# Altium PCB MICB.PcbDoc (part 3 of 3)
Units mil, origin at the board's own origin, x right, y up, seen from the top; angles counter-clockwise.
Board outline 3923.62 x 3144.88 mil, 4 copper layers (Top, GND02, PWR03, Bottom), stack 23.756 mil thick; 244 components, 173 nets, 794 pads, 559 vias.
Unrouted connection lines stored in the file: 121.
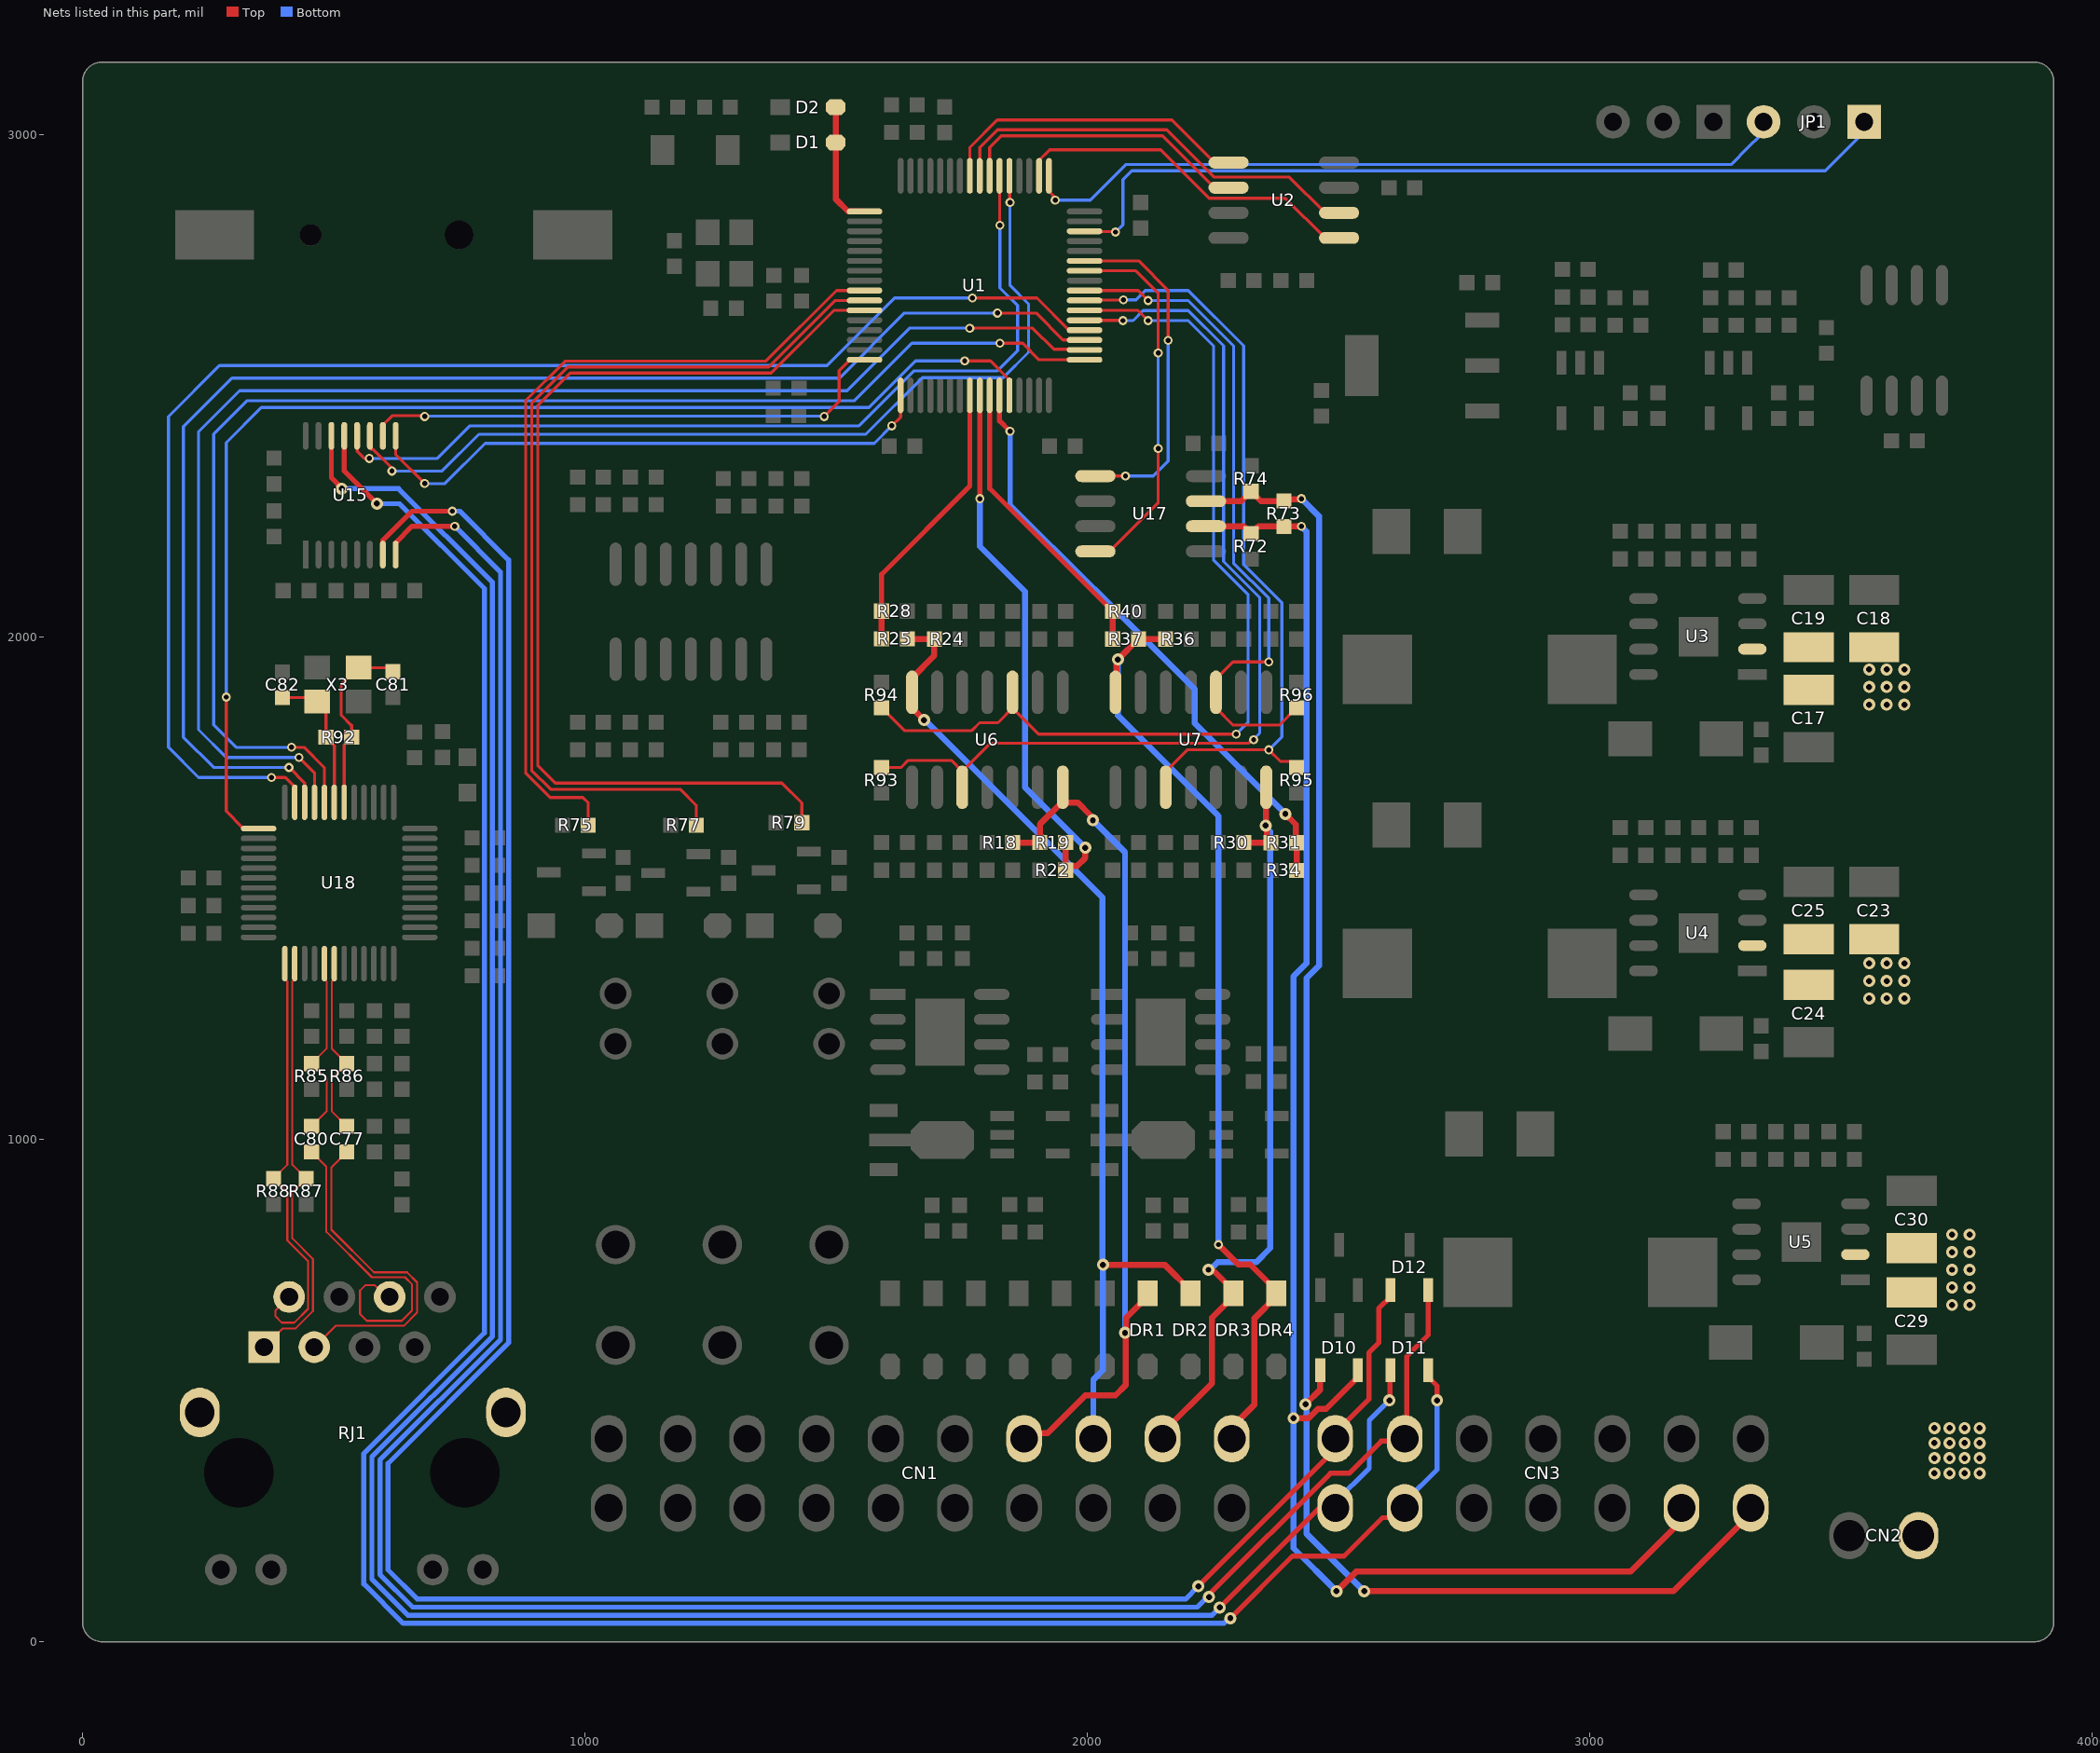
[diagram p5: the nets of this part, all layers, seen from the top]

## Via types
v1: diameter 24, hole 12, Top to Bottom, tented both sides, 215 vias
v2: diameter 20, hole 12, Top to Bottom, tented both sides, 159 vias
v3: diameter 18, hole 10, Top to Bottom, tented both sides, 121 vias
v4: diameter 20, hole 10, Top to Bottom, tented both sides, 34 vias
v5: diameter 24, hole 12, Top to Bottom, 30 vias

## Nets (pads, with @x,y where several pads share a name; then routed paths per layer and width w, separated by ;. In a path a pad name is that pad's centre, name@x,y a point inside that pad or via, vN(x,y) a via of type N, cw(c..) or ccw(c..) an arc to the next point about the centre after c; other vN are vias at no path point) (continued)
RLY_1: R75.2 U1.9 | length 1700
  Top w6: R75.2@1006.57,1625.63 1006.57,1670.04 995.98,1680.63 930.98,1680.63 881.98,1729.63 881.98,2470.57 961.04,2549.63 1360.58,2549.63 1500.83,2689.87 U1.9@1556.48,2689.87
RLY_2: R77.2 U1.10 | length 1874.1
  Top w6: R77.2@1221.57,1625.63 1221.57,1665.04 1189.48,1697.13 931.45,1697.13 893.98,1734.6 893.98,2465.6 966.01,2537.63 1365.55,2537.63 1498.11,2670.19 U1.10@1556.48,2670.19
RLY_3: R79.2 U1.11 | length 2041.1
  Top w6: R79.2@1431.57,1630.63 1431.57,1670.04 1391.98,1709.63 940.95,1709.63 905.98,1744.6 905.98,2460.63 970.98,2525.63 1370.52,2525.63 1495.4,2650.5 U1.11@1556.48,2650.5
RS232_1_RX: CN3.3 D11.2 U15.13 | length 5033.7
  Top w10: U15.13@520.98,2400.63 520.98,2330.63 v1(585.98,2265.63) ; v1(2284.62,46.99) 2408.26,170.63 2510.98,170.63 2587.47,247.11 2611.92,247.11 CN3.3@2631.38,266.57 ; D11.2@2678.39,540.63 2678.39,526.85 2695.98,509.25 v1(2695.98,480.63)
  Bottom w10: v1(585.98,2265.63) 630.98,2265.63 800,2096.61 800,615 560,375 560,115.25 638.25,37 2271.77,37 2281.76,46.99 v1(2284.62,46.99) ; CN3.3@2631.38,266.57 2631.38,278.38 2695.98,342.99 v1(2695.98,480.63)
RS232_1_TX: CN3.1 D11.1 U15.14 | length 4929.9
  Top w10: U15.14@495.39,2400.63 495.39,2317.47 515.98,2296.87 v1(515.98,2295.63) ; v1(2263.41,68.2) 2461.78,266.57 CN3.1@2493.59,266.57 ; v1(2600.98,480.63) 2602.28,481.93 2602.28,539.33 D11.1@2603.58,540.63
  Bottom w10: v1(515.98,2295.63) 629.27,2295.63 816,2108.9 816,608.37 576,368.37 576,124.7 647.7,53 2248.21,53 v1(2263.41,68.2) ; CN3.1@2493.59,266.57 2493.59,278.38 2560.98,345.78 2560.98,440.63 v1(2600.98,480.63)
RS232_2_RX: CN3.4 D12.2 U15.8 | length 4902.1
  Top w10: U15.8@623.35,2164.41 623.35,2187.99 655.98,2220.63 v3(740.98,2220.63) ; v1(2242.2,89.42) 2242.2,94.08 2483.75,335.63 2520.98,335.63 2584.98,399.62 2626.63,399.62 CN3.4@2631.38,404.37 2635.43,408.41 2635.43,567.84 2678.39,610.8 D12.2@2678.39,700.63
  Bottom w10: v3(740.98,2220.63) 832,2129.61 832,601.75 592,361.75 592,134.16 657.16,69 2218.43,69 2238.85,89.42 v1(2242.2,89.42)
RS232_2_TX: CN3.2 D12.1 U15.7 | length 4848.3
  Top w10: U15.7@597.76,2164.41 597.76,2192.4 655.98,2250.63 v3(735.98,2250.63) ; v1(2220.98,110.63) 2493.59,383.23 CN3.2@2493.59,404.37 2493.59,416.18 2560.23,482.82 2560.23,575.14 2580,594.91 2580,663.27 2603.58,686.85 D12.1@2603.58,700.63
  Bottom w10: v3(735.98,2250.63) 750.98,2250.63 848,2153.61 848,595.12 608,355.12 608,143.61 666.61,85 2195.35,85 v1(2220.98,110.63)
RS485_A: CN3.11 D10.2 R72.1 R73.1 U17.6 | length 3318.4
  Top w12: U17.6@2235.98,2220.63 2311.57,2220.63 R72.1@2325.98,2206.22 2340.39,2220.63 2390.39,2220.63 2390.69,2220.33 2425.69,2220.33 v3(2425.98,2220.63) ; v1(2410.26,445.19) 2440.55,445.19 2458.97,463.61 2475.15,463.61 2538.39,526.85 D10.2@2538.39,540.63 ; v1(2495.98,100.63) 2534.98,139.63 3080.98,139.63 3182.56,241.21 CN3.11@3182.56,266.57
  Bottom w12: v3(2425.98,2220.63) 2435.98,2210.6 2435.98,1350.63 2410.26,1324.91 2410.26,186.35 v1(2495.98,100.63)
RS485_B: CN3.13 D10.1 R73.2 R74.2 U17.7 | length 3381.1
  Top w12: U17.7@2235.98,2270.63 2306.57,2270.63 R74.2@2325.98,2290.04 2345.39,2270.63 2390.4,2270.63 R73.2@2390.99,2271.22 2394.25,2274.48 2424.84,2274.48 v3(2425.98,2275.63) ; v1(2434.26,472.85) 2463.58,502.17 D10.1@2463.58,540.63 ; v1(2550.98,100.63) 3166.22,100.63 3320.36,254.76 CN3.13@3320.36,266.57
  Bottom w12: v3(2425.98,2275.63) 2460.98,2240.63 2460.98,1345.63 2435.98,1320.63 2435.98,474.57 v1(2434.26,472.85) ; v1@2435.98,472.6 2435.98,215.63 v1(2550.98,100.63)
RSTn: U1.28 U18.37 | length 2485.5
  Top w6: v3(285.98,1880.63) 285.98,1653.52 318.97,1620.53 348.9,1620.53 U18.37@350.54,1618.9 ; v3(1755.98,2550.03) 1806.99,2550.03 1844.88,2512.14 U1.28@1844.88,2481.21
  Bottom w6: v3(285.98,1880.63) 285.98,2387.09 356.04,2457.14 1565.07,2457.14 1657.96,2550.03 v3(1755.98,2550.03)
RX_N: C80.1 R85.2 U18.5 | length 363.4
  Top w4: C80.1@455.98,1026.22 485.99,1056.23 485.99,1121.22 R85.2@455.99,1151.22 486.3,1181.53 486.3,1314.41 481.46,1319.25 U18.5@481.46,1350.18
RX_P: C77.1 R86.2 U18.6 | length 363.1
  Top w4: U18.6@501.14,1350.18 501.14,1319.25 496.3,1314.41 496.3,1180.91 R86.2@525.99,1151.22 495.99,1121.22 495.99,1056.22 C77.1@525.98,1026.22
RXC_N: C80.2 RJ1.6 | length 674.3
  Top w4: C80.2@455.98,975.04 485.39,945.63 485.39,816.22 575.98,725.63 641.84,725.63 655.98,711.49 655.98,659.77 635.29,639.07 565.76,639.07 552.5,652.34 552.5,699.3 563.39,710.2 581.42,710.2 605.04,686.57 RJ1.6@611.3,686.57
RXC_P: C77.2 RJ1.3 | length 674.6
  Top w4: RJ1.3@461.3,586.57 503.8,629.07 639.43,629.07 665.98,655.63 665.98,715.63 645.98,735.63 580.12,735.63 495.39,820.36 495.39,944.45 C77.2@525.98,975.04
SH1: RJ1.13
SH2: RJ1.14
SPI1_CS: U1.50 U2.1 | length 709.2
  Top w6: U1.50@1903.94,2918.22 1903.94,2949.14 1924.83,2970.03 2145.98,2970.03 2242.3,2873.72 2393.98,2873.72 2472.98,2794.72 U2.1@2500.98,2794.72
SPI1_MISO: U1.56 U2.2 | length 854.8
  Top w6: U1.56@1785.83,2918.22 1785.83,2974.87 1820.98,3010.03 2157.97,3010.03 2252.29,2915.72 2401.98,2915.72 2472.98,2844.72 U2.2@2500.98,2844.72
SPI1_MOSI: U1.57 U2.5 | length 629.2
  Top w6: U1.57@1766.14,2918.22 1766.14,2974.87 1820.67,3029.4 2168.3,3029.4 2252.98,2944.72 U2.5@2280.98,2944.72
SPI1_SCK: U1.55 U2.6 | length 584.5
  Top w6: U1.55@1805.51,2918.22 1805.51,2974.87 1828.67,2998.03 2149.67,2998.03 2252.98,2894.72 U2.6@2280.98,2894.72
SPI2_CS: U1.33 U18.32 | length 2725.5
  Top w6: v3(415.98,1780.63) 440.98,1780.63 481.46,1740.16 U18.32@481.46,1671.08 ; v3(1825.98,2585.03) 1870.98,2585.03 1903.94,2552.08 U1.33@1994.49,2552.08
  Bottom w6: v3(415.98,1780.63) 305.98,1780.63 260.98,1825.63 260.98,2404.06 327.55,2470.63 1536.58,2470.63 1650.98,2585.03 v3(1825.98,2585.03)
SPI2_MISO: U1.35 U18.34 | length 2845
  Top w6: v3(410.98,1740.63) 442.09,1709.53 U18.34@442.09,1671.08 ; v3(1820.98,2645.03) 1897.95,2645.03 1951.54,2591.45 U1.35@1994.49,2591.45
  Bottom w6: v3(410.98,1740.63) 260.98,1740.63 200.98,1800.63 200.98,2419.06 297.55,2515.63 1506.58,2515.63 1635.98,2645.03 v3(1820.98,2645.03)
SPI2_MOSI: U1.36 U18.35 | length 2921
  Top w6: v3(375.98,1720.63) 403.6,1720.63 422.4,1701.83 U18.35@422.4,1671.08 ; v3(1770.98,2675.03) 1899.67,2675.03 1963.57,2611.13 U1.36@1994.49,2611.13
  Bottom w6: v3(375.98,1720.63) 230.98,1720.63 170.98,1780.63 170.98,2439.06 272.55,2540.63 1481.58,2540.63 1615.98,2675.03 v3(1770.98,2675.03)
SPI2_SCK: U1.34 U18.33 | length 2785.3
  Top w6: v3(430.98,1760.63) 461.75,1729.86 U18.33@461.77,1671.08 ; v3(1765.98,2615.03) 1890.98,2615.03 1933.14,2572.88 1993.38,2572.88 U1.34@1994.49,2571.76
  Bottom w6: v3(430.98,1760.63) 285.98,1760.63 230.98,1815.63 230.98,2409.06 312.55,2490.63 1521.58,2490.63 1645.98,2615.03 v3(1765.98,2615.03)
SWCLK: JP1.3 U1.49 | length 1515.5
  Top w6: U1.49@1924.73,2914.66 1924.73,2886.64 1933.69,2877.68 1933.69,2872.33 v3(1935.98,2870.03)
  Bottom w6: v3(1935.98,2870.03) 2005.98,2870.03 2076.58,2940.63 3280.98,2940.63 3315.98,2975.63 3338.48,2998.13 JP1.3@3345.98,3005.63
SWDIO: JP1.1 U1.46 | length 1687.3
  Top w6: U1.46@1994.49,2807.98 1995.33,2807.14 2055.14,2807.14 v3(2055.98,2806.3)
  Bottom w6: v3(2055.98,2806.3) 2056.29,2806.3 2070.98,2821 2070.98,2910.63 2088.48,2928.13 3468.48,2928.13 JP1.1@3545.98,3005.63
TX_N: R88.2 RJ1.2 U18.1 | length 860.5
  Top w4: U18.1@402.72,1350.18 402.72,1319.25 407.56,1314.41 407.56,949.49 R88.2@380.12,922.05 407.61,894.55 407.61,798.93 448.8,757.74 448.8,662.76 421.33,635.29 396.79,635.29 384.03,648.04 384.03,659.3 RJ1.2@411.3,686.57
TX_P: R87.2 RJ1.1 U18.2 | length 860.8
  Top w4: RJ1.1@361.3,586.57 398.79,624.06 424.24,624.06 458.8,658.62 458.8,761.88 417.61,803.07 417.61,894.55 R87.2@445.11,922.05 417.56,949.6 417.56,1314.41 422.4,1319.25 U18.2@422.4,1350.18
USART1_RX: U1.43 U17.1 | length 687.7
  Top w6: U1.43@1994.49,2748.93 2102.09,2748.93 2160.98,2690.03 v3(2160.98,2590.63) ; U17.1@2015.98,2320.63 v3(2075.98,2320.63)
  Bottom w6: v3(2075.98,2320.63) 2130.98,2320.63 2160.98,2350.63 v3(2160.98,2590.63)
USART1_TX: U1.42 U17.4 | length 747.2
  Top w6: U1.42@1994.49,2729.24 2096.38,2729.24 2140.98,2684.64 v3(2140.98,2565.63) ; U17.4@2015.98,2170.63 2043.98,2170.63 2140.98,2267.63 v3(2140.98,2375.63)
  Bottom w6: v3(2140.98,2375.63) v3(2140.98,2565.63)
USART2_RX: U1.17 U15.9 | length 1164.3
  Top w6: U15.9@623.35,2400.63 623.35,2363.27 v3(680.98,2305.63) ; v3(1610.98,2420.63) 1628.35,2437.99 U1.17@1628.35,2481.21
  Bottom w6: v3(680.98,2305.63) 721.44,2305.63 801.44,2385.63 1575.98,2385.63 v3(1610.98,2420.63)
USART2_TX: U1.16 U15.10 | length 1072
  Top w6: U15.10@597.76,2400.63 597.76,2422.28 616.1,2440.63 679.5,2440.63 v3(680.98,2439.14) ; v3(1475.98,2439.14) 1505.98,2469.14 1505.98,2530.63 1527.43,2552.08 U1.16@1556.48,2552.08
  Bottom w6: v3(680.98,2439.14) 681.71,2439.87 1475.26,2439.87 v3(1475.98,2439.14)
USART5_RX: U1.54 U15.12 | length 1802.8
  Top w6: U15.12@546.58,2400.63 U15.12@546.58,2400.63 546.65,2369.97 560.98,2355.63 v3(570.98,2355.63) ; U1.54@1825.2,2918.22 1825.59,2917.83 1825.59,2820.43 v3(1825.98,2820.03)
  Bottom w6: v3(570.98,2355.63) 705.98,2355.63 770.98,2420.63 1545.53,2420.63 1654.93,2530.03 1820.98,2530.03 1860.98,2570.03 1860.98,2660.03 1825.98,2695.03 v3(1825.98,2820.03)
USART5_TX: U1.53 U15.11 | length 1821.5
  Top w6: U15.11@572.17,2400.63 572.17,2377.4 575.94,2373.63 578.44,2373.63 615.98,2336.09 v3(615.98,2330.63) ; U1.53@1844.88,2918.22 1845.43,2917.67 1845.43,2865.58 v3(1845.98,2865.03)
  Bottom w6: v3(615.98,2330.63) 715.98,2330.63 789.14,2403.79 1559.14,2403.79 1671.89,2516.53 1832.48,2516.53 1882.98,2567.03 1882.98,2663.03 1845.98,2700.03 v3(1845.98,2865.03)
VBAT: D1.2 D2.2 U1.1 | length 250.3
  Top w12: D2.2@1499.03,3054.72 1499.03,2872.05 1523.38,2847.7 1526.79,2847.7 1527.14,2847.35 U1.1@1556.48,2847.35
Vfb_1: R19.1 R22.2 U1.25 | length 1111.1
  Top w10: v3(1785.98,2275.63) 1785.91,2275.71 1785.91,2480.03 U1.25@1785.98,2480.11
  Top w12: R19.1@1956.58,1591.15 R22.2@1956.57,1536.14 1964.63,1544.19 1979.55,1544.19 1995.98,1560.63 v1(1995.98,1580.63)
  Bottom w12: v3(1785.98,2275.63) 1785.98,2180.63 1875.98,2090.63 1875.98,1700.63 v1(1995.98,1580.63)
Vfb_2: R25.1 R28.2 U1.24 | length 557.3
  Top w10: R28.2@1590.39,2051.73 1590.39,2125.04 1766.14,2300.79 U1.24@1766.14,2481.21
  Top w12: R25.1@1590.39,1996.73 R28.2@1590.39,2051.73
Vfb_3: R31.1 R34.2 U1.27 | length 1189
  Top w10: U1.27@1825.2,2479.32 1825.2,2430.26 1845.42,2410.03 v3(1845.98,2410.03)
  Top w12: v1(2394.05,1647.99) 2394.05,1647.79 2415.17,1626.68 2415.17,1592.04 R31.1@2416.58,1590.63 R34.2@2416.57,1535.63
  Bottom w10: v3(1845.98,2410.03) 1845.98,2264.02 2014.37,2095.63
  Bottom w12: 2014.37,2095.63 2214,1896 2214,1828.05 v1(2394.05,1647.99)
Vfb_4: R37.1 R40.2 U1.26 | length 586.8
  Top w10: U1.26@1805.51,2481.21 1805.51,2296.03 R40.2@2050.4,2051.15 R40.2@2050.69,2051.15
  Top w12: R37.1@2050.39,1996.14 R40.2@2050.4,2051.15
VIN: C17.2 C18.2 C19.2 C23.2 C24.2 C25.2 C29.2 C30.2 CN2.2 U3.2 U4.2 U5.2
  other v1: 3685.98,335.63 3715.98,335.63 3745.98,335.63 3775.98,335.63 3685.98,365.63 3715.98,365.63 3745.98,365.63 3775.98,365.63 3685.98,395.63 3715.98,395.63 3745.98,395.63 3775.98,395.63 3685.98,425.63 3715.98,425.63 3745.98,425.63 3775.98,425.63 3720.98,670.63 3755.98,670.63 3720.98,705.63 3755.98,705.63 3720.98,740.63 3755.98,740.63 3720.98,775.63 3755.98,775.63 3720.98,810.63 3755.98,810.63 3555.98,1280.63 3590.98,1280.63 3625.98,1280.63 3555.98,1315.63 3590.98,1315.63 3625.98,1315.63 3555.98,1350.63 3590.98,1350.63 3625.98,1350.63 3555.98,1865.63 3590.98,1865.63 3625.98,1865.63 3555.98,1900.63 3590.98,1900.63 3625.98,1900.63 3555.98,1935.63 3590.98,1935.63 3625.98,1935.63
Vout_1: CN1.14 DR1.1 R18.1 R19.2 U6.7 | length 1739.3
  Top w12: R18.1@1851.58,1591.15 R19.2@1905.4,1591.15 1905.4,1627.2 1950.98,1672.79 U6.7@1950.98,1676.19 ; CN1.14@1874.1,404.37 1884.87,415.15 1920.5,415.15 1996.01,490.65 2056.01,490.65 2075.98,510.63 2075.98,614.02 v1(2075,615) 2077.27,617.27 2077.27,645 2106.14,673.87 DR1.1@2119.83,687.56 ; U6.7@1950.98,1701.14 U6.7@1950.98,1676.19 ; v1@2005.98,1645.63 1980.8,1670.82 1956.35,1670.82 U6.7@1950.98,1676.19
  Bottom w12: v1(2010.98,1635.63) 2075,1571.61 v1(2075,615)
Vout_2: CN1.16 DR2.1 R24.1 R25.2 U6.14 | length 2043.7
  Top w6: R24.1@1694.8,1996.73 R24.1@1695.39,1996.14
  Top w12: R25.2@1641.57,1996.73 1641.86,1996.43 1694.51,1996.43 R24.1@1694.8,1996.73 ; v1(1675,1835) 1674.8,1835 1650.98,1858.82 1650.98,1918.73 1695.39,1963.14 R24.1@1695.39,1996.14 ; v1(2030.98,750.63) 2153.95,750.63 2205.21,699.37 DR2.1@2205.21,693.46
  Bottom w12: v1(1675,1835) 1676.61,1835 2030.34,1481.28 2030.34,751.28 v1(2030.98,750.63) 2030.98,540.63 2011.89,521.54 CN1.16@2011.89,404.37 CN1.16@2020,412.48
Vout_3: CN1.18 DR3.1 R30.1 R31.2 U7.7 | length 1563.3
  Top w12: CN1.18@2149.69,404.37 2149.69,416.18 2248.33,514.83 2248.33,645.29 2290.6,687.56 DR3.1@2290.6,693.46 2290.6,699.37 v1@2251.63,738.33 ; R30.1@2311.58,1591.15 2311.83,1590.89 R31.2@2365.14,1590.89 ; U7.7@2355.98,1701.14 2355.49,1700.65 2355.49,1625.49 v1(2355,1625) 2357.3,1622.7 2357.3,1598.73 R31.2@2365.14,1590.89 ; R31.2@2365.4,1590.63 R31.2@2365.14,1590.89
  Bottom w12: v1(2240.98,740.63) 2244.23,740.63 2259.23,755.63 2335.98,755.63 2364.07,783.71 2364.07,1612.68 2355,1621.75 v1(2355,1625)
Vout_4: CN1.20 DR4.1 R36.1 R37.2 U7.14 | length 1910.9
  Top w12: U7.14@2055.98,1890.12 2058.21,1892.34 2058.21,1949.53 2060.98,1952.3 v1(2060.98,1955.55) R37.2@2101.57,1996.14 R36.1@2155.39,1996.14 ; v3(2260.98,790.63) 2300.35,751.27 2324.09,751.27 2375.98,699.37 DR4.1@2375.98,693.46 2375.98,687.56 2332.75,644.33 2332.75,472.39 2287.48,427.12 CN1.20@2287.48,404.37
  Bottom w12: v1(2060.98,1955.55) 2060.98,1843.92 2260.98,1643.92 v3(2260.98,790.63)
Vpwm_1: R93.2 U1.37 U6.3 | length 1946.3
  Top w6: R93.2@1590.39,1740.59 1629.5,1740.59 1643.44,1754.52 1729.1,1754.52 U6.3@1750.98,1732.64 ; U6.3@1750.98,1701.14 U6.3@1750.98,1732.64 ; U1.37@1994.49,2630.82 1994.88,2630.43 2070.59,2630.43 v3(2070.98,2630.03) ; v3(2330.98,1795.63) 2328.1,1795.63 2321.47,1789 1807.35,1789 U6.3@1750.98,1732.64
  Bottom w6: v3(2070.98,2630.03) 2090.98,2630.03 2110.98,2650.03 2200.98,2650.03 2270.98,2580.03 2270.98,2150.48 2342.98,2078.48 2342.98,1809.09 2330.98,1797.09 v3(2330.98,1795.63)
Vpwm_2: R94.2 U1.38 U6.10 | length 1893
  Top w6: R94.2@1590.39,1859.41 1635.8,1814 1770,1814 1785.63,1829.63 1821.99,1829.63 U6.10@1850.98,1858.62 ; U6.10@1850.98,1890.12 U6.10@1850.98,1858.62 ; U1.38@1994.49,2650.5 2100.51,2650.5 v3(2120.98,2630.03) ; v3(2295.98,1807) 1902.61,1807 U6.10@1850.98,1858.62
  Bottom w6: v3(2120.98,2630.03) 2200.98,2630.03 2250.98,2580.03 2250.98,2153.51 2319.98,2084.51 2319.98,1831 v3(2295.98,1807)
Vpwm_3: R95.2 U1.39 U7.3 | length 1539.3
  Top w6: U1.39@1994.49,2670.19 1995.14,2670.84 2071.06,2670.84 v3(2071.72,2671.5) ; U7.3@2160.98,1701.14 2160.98,1737.64 2198.98,1775.63 v3(2360.98,1775.63) 2384.03,1752.59 2404.57,1752.59 R95.2@2416.57,1740.59
  Bottom w6: v3(2071.72,2671.5) 2096.99,2671.5 2115.53,2690.03 2200.98,2690.03 2310.98,2580.03 2310.98,2144.42 2386.98,2068.42 2386.98,1801.63 v3(2360.98,1775.63)
Vpwm_4: R96.2 U1.40 U7.10 | length 1364.2
  Top w6: U1.40@1994.49,2689.87 1994.57,2689.95 2101.06,2689.95 v3(2120.98,2670.03) ; U7.10@2255.98,1890.12 2255.98,1858.62 2289.61,1825 2382.16,1825 R96.2@2416.57,1859.41 ; U7.10@2260.98,1890.12 2260.98,1921.61 2290,1950.63 v3(2360.98,1950.63)
  Bottom w6: v3(2120.98,2670.03) 2200.98,2670.03 2290.98,2580.03 2290.98,2147.45 2360.98,2077.45 v3(2360.98,1950.63)
XI: C81.1 R92.2 U18.30 X3.1 | length 370.7
  Top w6: U18.30@520.83,1671.08 520.83,1785.74 R92.2@535.71,1800.63 535.71,1824.63 534.99,1824.63 514.8,1844.82 514.8,1906.47 547.42,1939.1 X3.1@549.39,1939.1 610.18,1939.1 C81.1@618.05,1931.22
XO: C82.1 R92.1 U18.31 X3.3 | length 287
  Top w6: C82.1@398.06,1879.45 459.43,1879.45 X3.3@466.72,1872.17 484.53,1854.35 R92.1@484.53,1800.63 501.14,1784.02 U18.31@501.14,1671.08
pads on no net: CR1.0 RJ1.0 RJ1.7 U1.2 U1.8 U1.59 U1.61 U1.62 U3.3 U4.3 U5.3 U9.1 U9.2 U9.10 U9.11 U11.1 U11.2 U11.10 U11.11 U16.5 U18.7 U18.12 U18.13 U18.18 U18.24 U18.26 U18.46 U18.47

## Polygon pours and split planes (outlines as drawn)
GND on Top "NONET_L-01_P-001" (hatched Horizontal grid 5 track 6, remove dead copper, pour order 45): 0,39.37 0,3105.51 cw(c39.37,3105.51) 39.37,3144.88 3884.25,3144.88 cw(c3884.25,3105.51) 3923.62,3105.51 3923.62,39.37 cw(c3884.25,39.37) 3884.25,0 39.37,0 cw(c39.37,39.37)
CO_12V on Top "NONET_L-01_P-001" (solid, remove dead copper, pour order 30): 3380.98,725.63 3355.98,740.63 3285.98,740.63 3270.98,755.63 3270.98,805.63 3250.98,825.63 3100.98,825.63 3070.98,795.63 3070.98,665.63 3070.98,615.63 3095.98,590.63 3207.21,590.63 3234.88,560.63 3355.98,560.63 3380.98,585.43
5V on Top "NONET_L-01_P-001" (solid, remove dead copper, pour order 28): 2480.98,1885.63 2500.98,1850.63 2649.75,1850.63 2673.42,1885.63 2673.42,2300.63 2649.75,2345.63 2501.53,2345.63 2480.98,2314.81 2480.98,2085.63
CO_5V on Top "NONET_L-01_P-001" (solid, remove dead copper, pour order 27): 3150.98,1925.63 3135.98,1940.63 3085.98,1940.63 3070.98,1955.63 3070.98,2005.63 3050.98,2025.63 2900.98,2025.63 2870.98,1995.63 2870.98,1865.63 2870.98,1780.63 2915.98,1735.63 3130.98,1735.63 3150.98,1755.63
VIN on Top "NONET_L-01_P-001" (solid, remove dead copper, pour order 26): 3305.98,2000.63 3285.98,1980.63 3285.98,1960.63 3305.98,1940.63 3345.98,1940.63 3365.98,1935.63 3365.98,1860.63 3385.98,1840.63 3612.02,1840.63 3640.98,1856.79 3640.98,2025 3602,2045.72 3391.11,2043.46 3350.92,2003.28 3342.29,2000.63
CO_6V on Top "NONET_L-01_P-001" (solid, remove dead copper, pour order 24): 3150.98,1340.63 3135.98,1355.63 3085.98,1355.63 3070.98,1370.63 3070.98,1420.63 3050.98,1440.63 2900.98,1440.63 2870.98,1410.63 2870.98,1280.63 2870.98,1195.63 2915.98,1150.63 3130.98,1150.63 3150.98,1170.63
VIN on Top "NONET_L-01_P-001" (solid, remove dead copper, pour order 23): 3305.98,1415.63 3285.98,1395.63 3285.98,1375.63 3305.98,1355.63 3345.98,1355.63 3365.98,1350.63 3365.98,1275.63 3385.98,1255.63 3612.02,1255.63 3640.98,1271.79 3640.98,1440 3602,1460.72 3391.11,1458.46 3350.92,1418.28 3342.29,1415.63
VIN on Top "NONET_L-01_P-001" (solid, remove dead copper, pour order 42): 3605,390.63 3665,450.63 3797.5,450.63 3840.98,400.93 3840.98,145.63 3790.98,95.63 3655,95.63 3605,145.63
3.3V on Top "3.3V_L01_P031" (solid, remove dead copper, pour order 31): 2335,2582.59 2355,2602.59 2584.02,2602.59 2620.98,2565.63 2820.98,2565.63 2830.98,2555.63 2830.98,2525.63 2820.98,2515.63 2620.98,2515.63 2584.02,2470.63 2355,2470.63 2335,2485.63
12V on Top "NONET_L-01_P-001" (solid, remove dead copper, pour order 35): 2705.98,655.63 2720.98,640.63 2840.98,640.63 2855.98,655.63 2855.98,915.63 2825.98,970.63 2825.98,1050.63 2769.15,1085.63 2535.98,1085.63 2500.98,1050.63 2500.98,995.63 2535.98,960.63 2680.98,960.63 2705.98,900.63
5V on Top "NONET_L-01_P-001" (solid, remove dead copper, pour order 32): 2800.98,2740.63 2780.98,2720.63 2780.98,2670.63 2770.98,2660.63 2745.98,2660.63 2740.98,2655.63 2740.98,2615.63 2750.98,2605.63 2880.98,2605.63 2900.98,2625.63 2900.98,2715.63 2875.98,2740.63
6V on Top "NONET_L-01_P-001" (solid, remove dead copper, pour order 25): 2480.98,1300.63 2500.98,1265.63 2645.98,1265.63 2673.42,1293.06 2673.42,1715.63 2660.27,1740.63 2491.8,1740.63 2480.98,1720.63 2480.98,1500.63
VIN on Top "NONET_L-01_P-001" (solid, remove dead copper, pour order 20): 3510.98,800.63 3490.98,780.63 3490.98,760.63 3510.98,740.63 3550.98,740.63 3570.98,735.63 3570.98,660.63 3585.98,645.63 3750.98,645.63 3770.98,665.63 3770.98,815.63 3745.98,840.63 3585.98,840.63 3555.92,803.27 3547.29,800.63
GND on Bottom "NONET_L-01_P-001" (hatched Horizontal grid 5 track 6, remove dead copper, pour order 46): 0,39.37 0,3105.51 cw(c39.37,3105.51) 39.37,3144.88 3884.25,3144.88 cw(c3884.25,3105.51) 3923.62,3105.51 3923.62,39.37 cw(c3884.25,39.37) 3884.25,0 39.37,0 cw(c39.37,39.37)
VIN on Bottom "NONET_L-01_P-001" (solid, remove dead copper, pour order 41): 3605,390.63 3665,450.63 3797.5,450.63 3840.98,400.93 3840.98,145.63 3790.98,95.63 3655,95.63 3605,145.63
12V on Bottom "NONET_L-01_P-001" (solid, remove dead copper, pour order 34): 2530.98,1080.63 2510.98,1050.63 2510.98,985.63 2530.98,955.86 2626.22,955.86 3210.98,596.63 3262.32,560.63 3263.48,510.63 3262.32,369.3 3280.98,350.63 3355.98,350.63 3375.98,370.63 3375.98,611.48 3342.83,655.58 2710.98,1040.63 2693.48,1080.63
6V on Bottom "NONET_L-01_P-001" (solid, remove dead copper, pour order 16): 2835.98,560.63 2825.98,550.63 2825.98,505.07 2825.98,375.91 2860.98,346.74 2940.98,346.74 2965.98,371.74 2965.98,545.63 2955.98,560.63
5V on Bottom "NONET_L-01_P-001" (solid, remove dead copper, pour order 15): 3190.98,570.63 3205.98,555.63 3205.98,495.63 3115.98,428.13 3115.98,385.63 3075.98,345.63 3010.98,345.63 2985.98,370.63 2985.98,478.13 3053.48,525.63 3053.48,555.63 3068.48,570.63
GND on PWR03 (split plane): 164 vertices, not listed, extent 60.09,60.09 3863.53,3084.79
3V3A on PWR03 (split plane): 845.9,1611.45 845.9,944.81 706.81,805.72 255.16,805.72 121.07,939.81 121.07,1566.45 208.12,1653.5 220.16,1665.54 791.81,1665.54
3.3V on PWR03 (split plane): 2734.56,3037.79 2735.85,2891.57 2586.13,2809.47 2586.04,2809.41 2585.94,2809.36 2584.98,2808.63 2584.01,2807.92 2583.94,2807.83 2583.85,2807.76 2583.12,2806.8 2582.36,2805.86 2582.32,2805.76 2582.25,2805.67 2581.79,2804.56 2581.3,2803.45 2581.28,2803.34 2581.24,2803.24 2581.08,2802.04 2580.9,2800.85 2580.91,2800.74 2580.9,2800.63 2580.9,2549.81 2387.96,2356.87 2387.95,2356.85 2387.93,2356.84 2387.15,2355.81 2386.36,2354.78 2386.35,2354.76 2386.33,2354.74 2385.85,2353.55 2385.35,2352.35 2385.35,2352.32 2385.34,2352.3 2385.17,2351.02 2385.01,2349.74 2385.01,2349.71 2385.01,2349.69 2385.99,2146.13 2349.25,2105.72 1706.49,2105.72 1664.47,2171.08 1663.75,2171.94 1663.06,2172.82 1662.9,2172.94 1662.77,2173.09 1661.85,2173.73 1660.96,2174.4 1660.77,2174.48 1660.6,2174.6 1659.55,2174.97 1658.52,2175.39 1658.32,2175.42 1658.13,2175.49 1657.01,2175.58 1655.91,2175.72 1005.91,2170.72 1004.64,2170.54 1003.37,2170.37 1003.34,2170.36 1003.3,2170.35 1002.13,2169.86 1000.94,2169.36 1000.91,2169.34 1000.87,2169.33 999.87,2168.54 998.85,2167.76 878.85,2047.76 877.25,2045.67 876.24,2043.24 875.9,2040.63 875.9,1779.81 831.81,1735.72 720.16,1735.72 666.07,1789.81 666.07,2080.63 665.73,2083.24 664.72,2085.67 663.12,2087.76 563.12,2187.76 561.03,2189.36 558.59,2190.37 555.98,2190.72 435.16,2190.72 311.07,2314.81 311.07,2869.56 522.06,3080.54 2691.81,3080.54
6V on PWR03 (split plane): 2970.9,1598.82 2970.9,499.81 2956.81,485.72 2805.16,485.72 2781.07,509.81 2781.07,1255.63 2780.73,1258.24 2779.72,1260.67 2778.12,1262.76 2683.12,1357.76 2681.03,1359.36 2678.59,1360.37 2675.98,1360.72 2530.16,1360.72 2441.07,1449.81 2441.07,1528.62 2441.07,1711.45 2495.16,1765.54 2823.79,1765.54
VIN on PWR03 (split plane): 3863.53,2173.82 3863.53,127.44 3821.81,85.72 3630.16,85.72 3605.09,110.79 3605.09,306.61 3604.74,309.22 3603.74,311.66 3602.13,313.75 3535.52,380.35 3533.43,381.96 3531,382.97 3528.39,383.31 3437.57,383.31 3301.07,519.81 3301.07,2126.45 3420.16,2245.54 3791.81,2245.54
12V on PWR03 (split plane): 1848.85,1788.5 1850.94,1786.89 1853.37,1785.89 1855.98,1785.54 2206.81,1785.54 2310.9,1681.45 2310.9,1680.63 2310.9,1660.63 2310.9,1640.63 2310.9,1385.63 2311.24,1383.02 2312.25,1380.59 2313.85,1378.5 2433.85,1258.5 2435.94,1256.89 2437.37,1256.3 2438.37,1255.89 2440.98,1255.54 2611.81,1255.54 2710.9,1156.45 2710.9,659.81 2632.65,581.56 2495.52,581.56 2323.57,831.35 2322.96,832.03 2322.4,832.76 2322.08,833.01 2321.81,833.3 2321.04,833.8 2320.31,834.36 2319.94,834.52 2319.6,834.74 2318.73,835.02 2317.88,835.37 2317.48,835.42 2317.1,835.55 2316.18,835.6 2315.27,835.72 1745.16,835.72 1520.98,1059.89 1520.98,1335.63 961.07,1335.63 961.07,1996.45 1060.16,2095.54 1541.81,2095.54
5V on PWR03 (split plane): 3795.9,2751.45 3795.9,2454.31 3721.29,2365.72 3340.98,2365.72 3338.37,2365.37 3335.94,2364.36 3333.85,2362.76 3238.85,2267.76 3237.25,2265.67 3236.24,2263.24 3235.9,2260.63 3235.9,529.81 3196.81,490.72 3065.16,490.72 3031.07,524.81 3031.07,1670.63 3031.07,1670.65 3031.07,1670.68 3030.9,1671.96 3030.73,1673.24 3030.72,1673.26 3030.71,1673.28 3030.22,1674.47 3029.72,1675.67 3029.71,1675.69 3029.7,1675.71 3028.91,1676.73 3028.12,1677.76 3028.1,1677.78 3028.08,1677.79 2496.46,2204.6 2496.46,2356.84 2678.12,2538.5 2679.72,2540.59 2680.31,2542.01 2680.73,2543.02 2681.07,2545.63 2681.07,2739.86 2894.45,2865.54 3681.81,2865.54
GND on GND02 (split plane): 3888.03,3124.5 3891.66,3123.4 3895.01,3121.61 3897.94,3119.2 3900.35,3116.27 3902.14,3112.92 3903.24,3109.29 3903.57,3105.97 3903.53,3105.51 3903.53,39.37 3903.57,38.91 3903.24,35.59 3902.14,31.96 3900.35,28.61 3897.94,25.68 3895.01,23.27 3891.66,21.48 3888.03,20.38 3884.71,20.05 3884.25,20.1 39.37,20.1 38.91,20.05 35.59,20.38 31.96,21.48 28.61,23.27 25.68,25.68 23.27,28.61 21.48,31.96 20.38,35.59 20.05,38.91 20.1,39.37 20.1,3105.51 20.05,3105.97 20.38,3109.29 21.48,3112.92 23.27,3116.27 25.68,3119.2 28.61,3121.61 31.96,3123.4 35.59,3124.5 38.91,3124.83 39.37,3124.79 39.37,3124.78 39.37,3124.79 3884.25,3124.79 3884.25,3124.78 3884.25,3124.79 3884.71,3124.83

## Keep-outs
Keep-Out Layer:
  the board outline again, w19.68

## Other copper
Top:
  pour cut-out: 1045.98,365.63 1045.98,200.63 1370.75,200.63 1390.82,416.34
Bottom:
  pour cut-out: 990.98,545.63 985.98,540.63 985.98,235.63 1365.98,235.63 1370.98,385.63 1325.18,423.16 1229.78,546.93
GND02 (plane layer: these items are gaps in the copper):
  pour cut-out: 900.98,1335.63 900.98,545.63 1520.98,545.63 1520.98,1335.63
PWR03 (plane layer: these items are gaps in the copper):
  pour cut-out: 900.98,1335.63 900.98,545.63 1520.98,545.63 1520.98,1335.63
  lines w20: 2320.98,1660.63 2320.98,1685.63 2210.98,1795.63 1855.98,1795.63 1545.98,2105.63 1055.98,2105.63 950.98,2000.63 950.98,1220.63 1030.98,1140.63 1425.98,1140.63 1740.98,825.63 2315.27,825.63 2490.22,571.47 2530.15,571.47 2636.82,571.47 2720.98,655.63 2720.98,1160.63 2615.98,1265.63 2440.98,1265.63 2320.98,1385.63 2320.98,1640.63 2320.98,1680.63 ; 655.98,1785.63 655.98,2080.63 555.98,2180.63 430.98,2180.63 300.98,2310.63 300.98,2873.73 517.88,3090.63 2695.98,3090.63 2744.61,3042.01 2745.98,2885.63 2590.98,2800.63 2590.98,2545.63 2395.09,2349.74 2396.1,2142.25 2353.71,2095.63 1700.98,2095.63 1655.98,2165.63 1005.98,2160.63 885.98,2040.63 885.98,1775.63 835.98,1725.63 715.98,1725.63 655.98,1785.63 ; 655.98,1785.63 655.98,1785.63 ; 110.98,935.63 250.98,795.63 710.98,795.63 855.98,940.63 855.98,1615.63 795.98,1675.63 215.98,1675.63 200.98,1660.63 110.98,1570.63 110.98,935.63 ; 2430.98,1445.63 2525.98,1350.63 2675.98,1350.63 2770.98,1255.63 2770.98,505.63 2800.98,475.63 2875.98,475.63 2960.98,475.63 2980.98,495.63 2980.98,1602.63 2828.34,1775.63 2490.98,1775.63 2430.98,1715.63 2430.98,1528.62 2430.98,1445.63 ; 2486.38,2200.4 2486.38,2361.02 2670.98,2545.63 2670.98,2745.63 2891.7,2875.63 3685.98,2875.63 3805.98,2755.63 3805.98,2450.63 3725.98,2355.63 3340.98,2355.63 3245.98,2260.63 3245.98,525.63 3200.98,480.63 3060.98,480.63 3020.98,520.63 3020.98,1670.63 2486.38,2200.4 ; 3290.98,515.63 3290.98,2130.63 3415.98,2255.63 3795.98,2255.63 3900.98,2150.63 3900.98,260.63 3900.98,150.63 3825.98,75.63 3715.98,75.63 3625.98,75.63 3595,106.61 3595,306.61 3528.39,373.22 3433.39,373.22 3290.98,515.63
Multi-Layer:
  pour cut-out: 900.98,1335.63 900.98,545.63 1520.98,545.63 1520.98,1335.63

## Silkscreen, mask and mechanical layers (free items; w line width, h text height)
Top Overlay:
  lines w5: 265.98,955.53 412.88,955.53 415.98,1280.63 265.98,1280.63 265.98,955.53 ; 755.98,1065.63 850.98,1065.63 850.98,1285.63 757.43,1285.5 755.98,1065.63 ; 1880.98,1205.63 1960.98,1205.63 1960.98,1275.63 1880.98,1275.63 1880.98,1205.63 ; 2316.76,1203.32 2316.76,1273.32 2396.76,1273.32 2396.76,1203.32 2316.76,1203.32 ; 3045,1655.63 3045,1720.63 3340,1720.63 3340,1655.63 3045,1655.63 ; 3045,2250.63 3045,2320.63 3340,2320.63 3340,2250.63 3045,2250.63 ; 3252.16,1047.58 3547.16,1047.58 3547.16,1112.58 3252.16,1112.58 3252.16,1047.58
  lines w6: 118.11,-39.37 118.11,3144.88 ; 3805.51,-39.37 3805.51,3144.88
  text "MICB V1.1" at 2295,3045.63 h60
  text "By TempleLv" at 2580,2969.09 h70
  text "RX" at 3019.98,2918.68 h25
  text "GND" at 3101.11,2918.68 h25
  text "TX" at 3219.98,2918.68 h25
  text "SWCLK" at 3285.91,2918.68 h25
  text "GND" at 3419.98,2918.68 h25
  text "SWDIO" at 3509.98,2918.68 h25
Bottom Overlay:
  text "GND" at 2801.98,519.63 h25
  text "6V" at 2936.98,518.8 h25
  text "5V" at 3076.98,518.8 h25
  text "GND" at 3211.98,518.8 h25
  text "12V" at 3346.98,518.8 h25
  text "NO_1" at 1083.27,514.22 h25
  text "NO_2" at 1220,514.22 h25
  text "NO_3" at 1363.27,514.22 h25
  text "GND" at 1771.02,514.22 h25
  text "Iout / 1" at 1528.74,470.63 h25
  text "Iout / 2" at 1672.27,470.63 h25
  text "Vout / 1" at 1945.83,470.63 h25
  text "Vout / 2" at 2084.99,470.63 h25
  text "Vout / 3" at 2224.99,470.63 h25
  text "Vout / 4" at 2360.98,470.63 h25
  text "232_2 / TX" at 2553.3,470.63 h25
  text "232_2 / RX" at 2723.29,470.63 h25
  text "↑UP" at 3465.98,387.48 h50
  text "↓down" at 3485.98,262.48 h50
  text "COM_1" at 1084.26,168.8 h25
  text "COM_2" at 1226.98,168.8 h25
  text "COM_3" at 1366.98,168.8 h25
  text "Ain_1" at 1506.98,168.8 h25
  text "Ain_2" at 1651.98,168.8 h25
  text "Ain_3" at 1791.98,168.8 h25
  text "Ain_4" at 1931.98,168.8 h25
  text "GND" at 2048.83,168.8 h25
  text "CAN_L" at 2196.98,168.8 h25
  text "CAN_H" at 2346.98,168.8 h25
  text "GND" at 2801.98,168.8 h25
  text "PWM_2" at 2956.98,168.8 h25
  text "PWM_1" at 3096.98,168.8 h25
  text "485_A" at 3244.19,168.8 h25
  text "485_B" at 3386.98,168.8 h25
  text "232_1 / TX" at 2558.3,120.63 h25
  text "232_1 / RX" at 2693.3,120.63 h25
  text "GND" at 3541.98,104.63 h25
  text "14V~60V" at 3741.41,101.93 h50
Mechanical 1:
  the board outline again, w7.87

## Dimensions
0,0 to 3884.25,3144.88 on Mechanical 1
0,0 to 3923.62,39.37 on Mechanical 1